# Altium PCB PCB3.PcbDoc (part 5 of 8)
Units mil, origin at the board's own origin, x right, y up, seen from the top; angles counter-clockwise.
Board outline 4763.78 x 6574.87 mil, 6 copper layers (Top Layer, GND, ADDR, DATA, VCC, Bottom Layer), stack 77.691 mil thick; 402 components, 418 nets, 1809 pads, 1202 vias.
Unrouted connection lines stored in the file: 117.
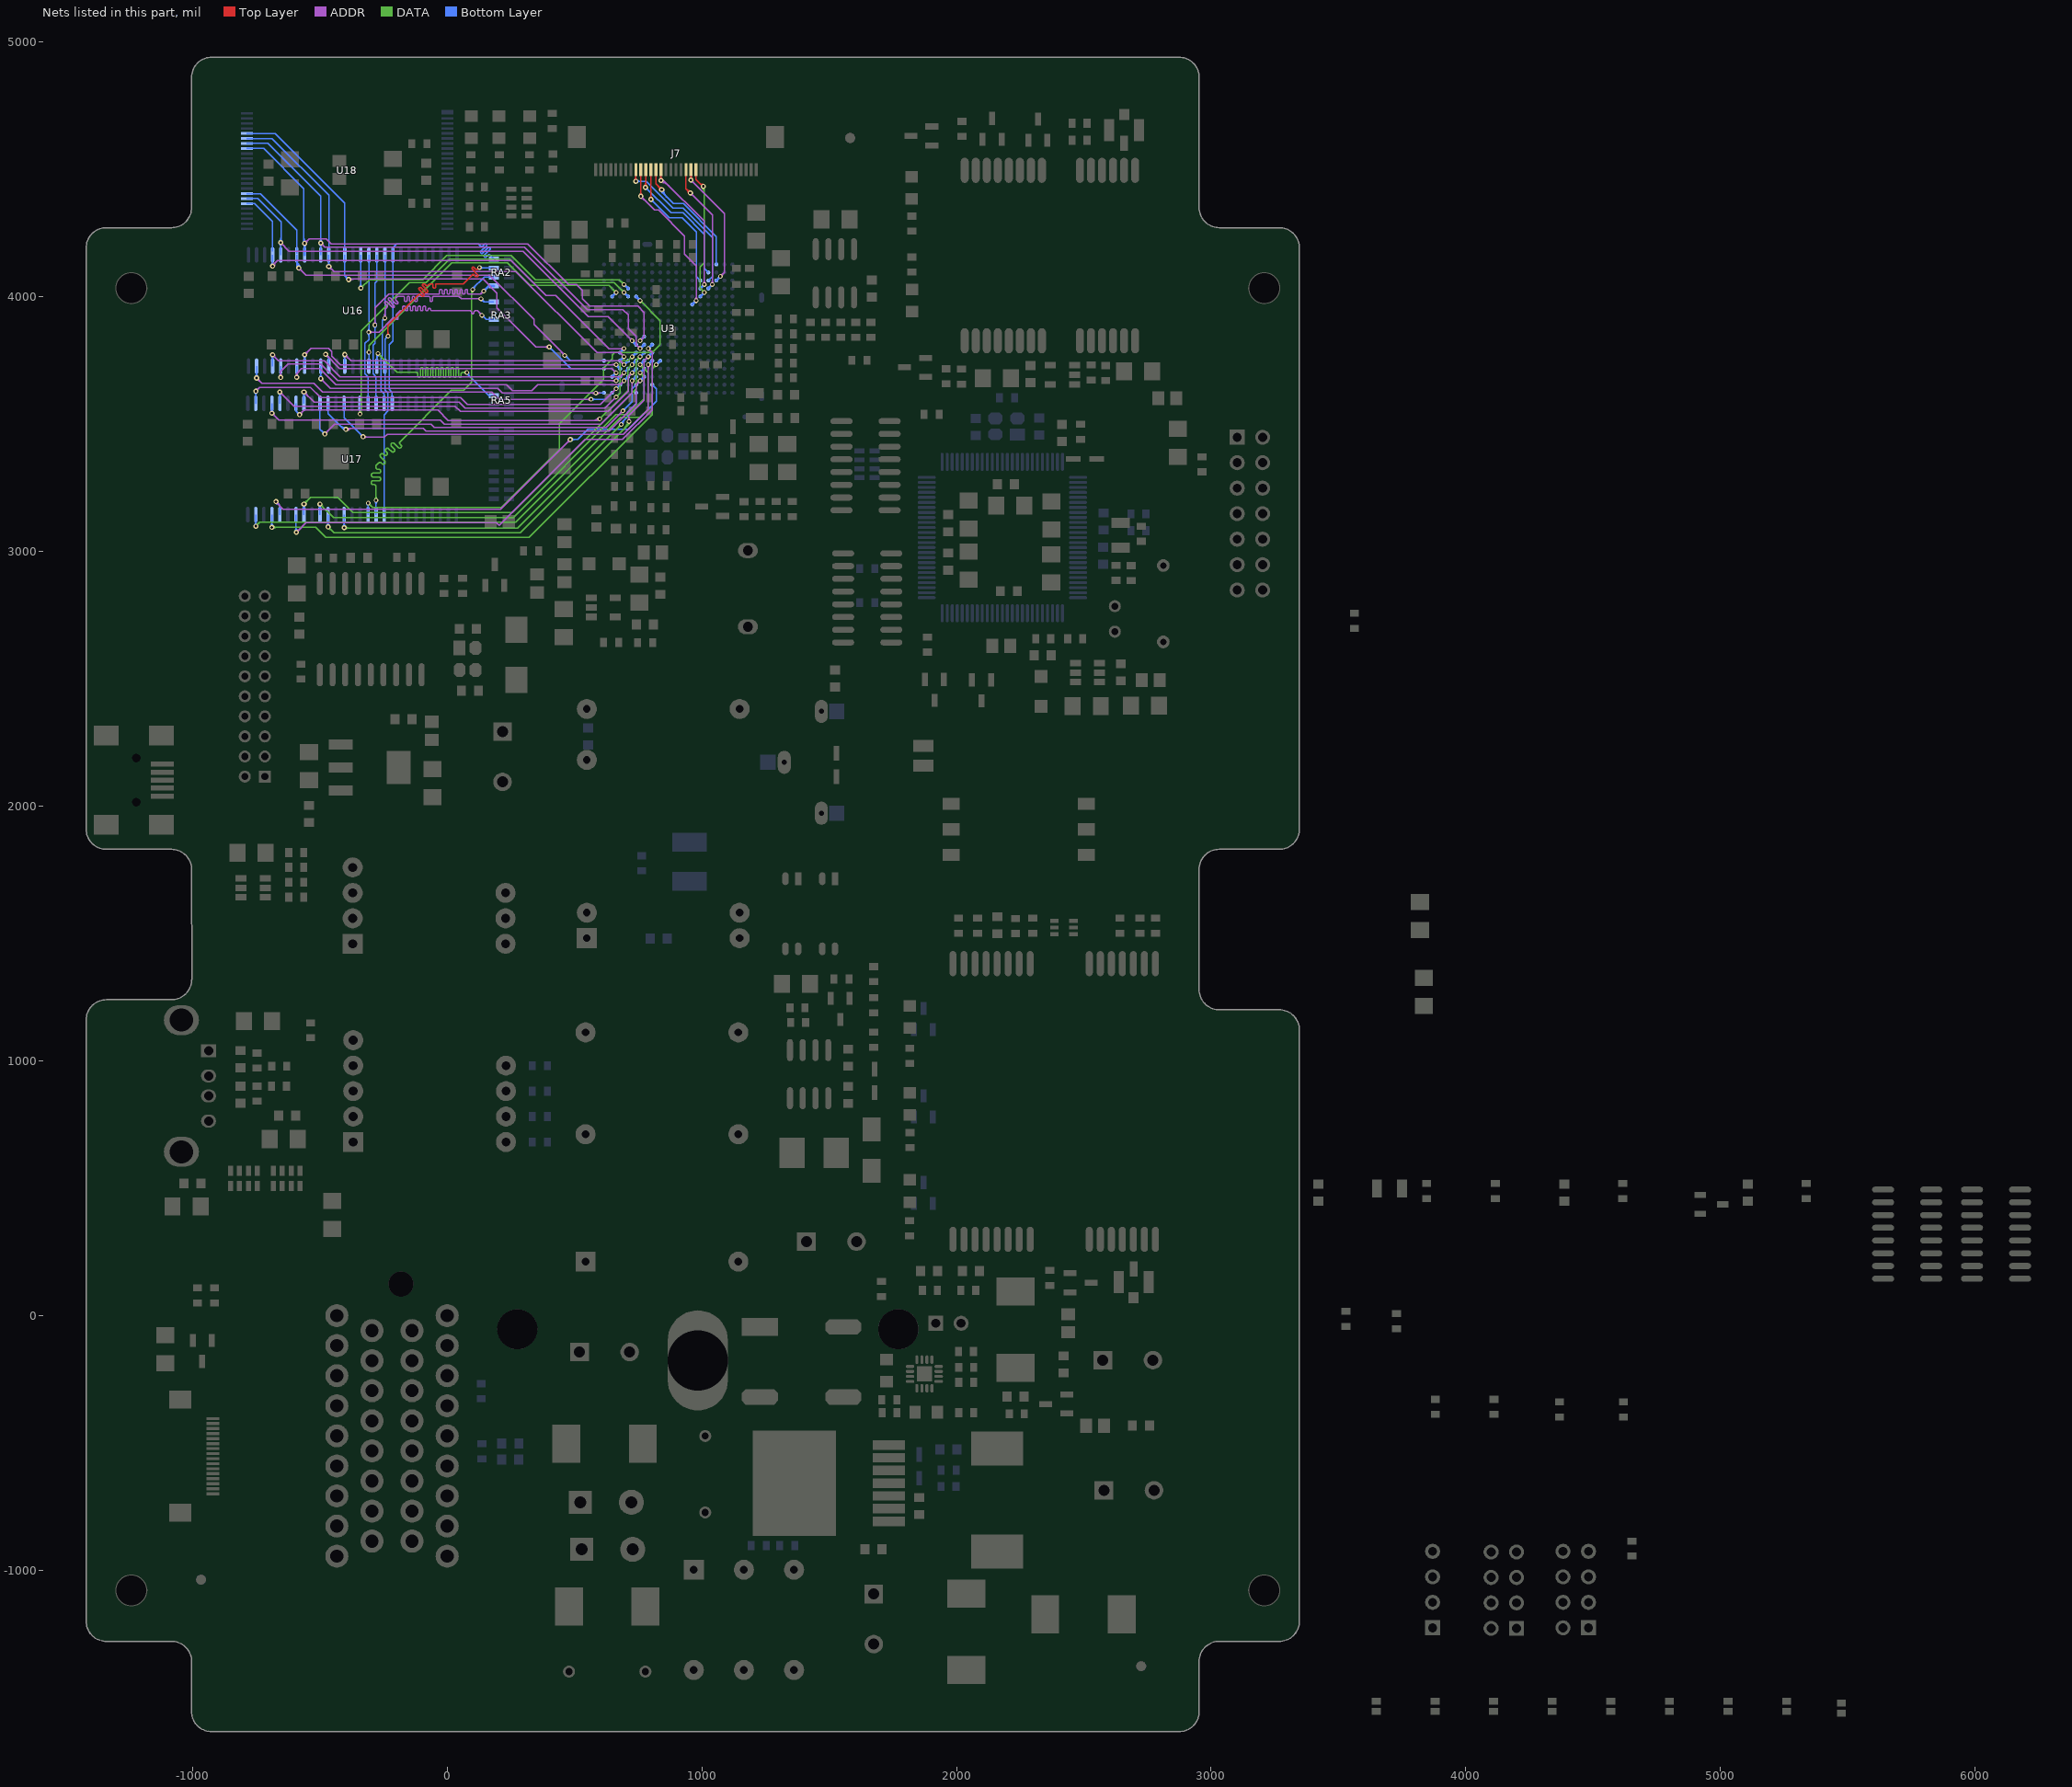
[diagram p9: the nets of this part, all layers, seen from the top]

## Via types
v1: diameter 18, hole 10, Top Layer to Bottom Layer, tented both sides, 404 vias
v2: diameter 20, hole 10, Top Layer to Bottom Layer, tented both sides, 379 vias
v3: diameter 25, hole 15, Top Layer to Bottom Layer, tented both sides, 363 vias
v4: diameter 23.62, hole 11.81, Top Layer to Bottom Layer, tented both sides, 51 vias
v5: diameter 50, hole 28, Top Layer to Bottom Layer, tented both sides, 4 vias
v6: diameter 30, hole 15, Top Layer to Bottom Layer, tented both sides, 1 vias

## Nets (pads, with @x,y where several pads share a name; then routed paths per layer and width w, separated by ;. In a path a pad name is that pad's centre, name@x,y a point inside that pad or via, vN(x,y) a via of type N, cw(c..) or ccw(c..) an arc to the next point about the centre after c; other vN are vias at no path point) (continued)
LDATA1: U3.C12 U16.4 U18.30 | length 1955
  ADDR w5: v2(-685.37,4120.73) -685.37,4123.4 -666.34,4142.43 251.68,4142.43 388.68,4005.43 426.59,4005.43 635.33,3796.69 v1(694.86,3796.69) ; v2@-685.37,4128.23 ccw(c-685.37,4139.89) -677.13,4131.65 ; v2@-682.87,4120.73 cw(c-670.39,4120.73) -679.22,4129.56 ; v2@-677.87,4120.73 cw(c-653.32,4120.73) -670.68,4138.09 ; v1@690.26,3792.1 ccw(c679.16,3781) 679.16,3796.69 ccw(c679.16,3812.39) v1@690.26,3801.29
  Bottom Layer w5: U18.30@-786.94,4366.2 -755.97,4366.2 -686.02,4296.26 U16.4@-686.02,4178.15 ; v2@-690.67,4126.03 ccw(c-703.48,4138.84) -685.37,4138.84 ccw(c-667.26,4138.84) v2@-680.07,4126.03 ; v2(-685.37,4120.73) U16.4@-685.37,4164.94
  Bottom Layer w10: U3.C12@679.11,3780.95 v1(694.86,3796.69) ; v1@690.86,3796.69 cw(c681.2,3796.69) 688.03,3789.87 cw(c694.86,3783.04) v1@694.86,3792.69
LDATA2: U3.E11 U16.5 U18.31 | length 1989
  ADDR w5: v2@-653.88,4205.43 cw(c-653.88,4187.32) -641.07,4200.13 cw(c-628.27,4212.93) v2@-646.38,4212.93 ; v2(-653.88,4212.93) -620.38,4179.43 297.93,4179.43 554.7,3922.67 631.88,3922.67 v1(726.35,3828.19) ; v1@719.85,3828.19 ccw(c704.16,3828.19) 715.26,3839.29 ccw(c726.35,3850.38) v1@726.35,3834.69
  Bottom Layer w5: U18.31@-786.94,4385.89 -744.16,4385.89 -652.56,4294.29 v2@-652.56,4212.6 ; v2@-659.18,4207.63 cw(c-671.98,4194.82) -653.88,4194.82 cw(c-635.77,4194.82) v2@-648.57,4207.63 ; v2@-659.18,4218.23 ccw(c-675.16,4234.21) -652.56,4234.21 ; U16.5@-653.88,4164.94 v2(-653.88,4212.93) ; -652.56,4227.86 ccw(c-638.95,4227.86) v2@-648.57,4218.23
  Bottom Layer w10: v1@726.35,3824.19 cw(c726.35,3814.53) 733.18,3821.36 cw(c740.01,3828.19) v1@730.35,3828.19 ; v1(726.35,3828.19) U3.E11@742.1,3812.44
LDATA3: U3.A13 U16.7 U18.32 | length 1921.5
  ADDR w5: v2@-582.68,4105.69 cw(c-582.68,4087.58) -569.87,4100.39 cw(c-557.07,4113.19) v2@-575.18,4113.19 ; v2(-582.68,4113.19) -554.92,4085.43 166.53,4085.43 340.55,3911.42 340.55,3891.16 v1(461.59,3770.11) ; v1@455.09,3770.11 ccw(c439.4,3770.11) 450.5,3781.21 ccw(c461.59,3792.31) v1@461.59,3776.61
  Bottom Layer w5: U18.32@-786.94,4405.57 -733.33,4405.57 -590.55,4262.8 U16.7@-590.55,4170.28 ; -590.88,4126.96 ccw(c-568.9,4126.96) v2@-584.44,4111.42 ; U16.7@-590.88,4139.04 ccw(c-556.83,4139.04) v2@-580.91,4114.96 ; U16.7@-590.88,4151.11 ccw(c-544.76,4151.11) v2@-577.37,4118.49 ; U16.7@-590.88,4164.94 -590.88,4121.39 v2(-582.68,4113.19) ; v1@461.59,3763.61 cw(c461.59,3743.17) 476.05,3757.63 ; v1@462.55,3770.11 463.56,3770.11 484.23,3749.45 U3.A13@616.12,3749.45 ; v1@468.09,3770.11 ccw(c479.03,3770.11) 471.3,3762.38
LDATA4: U3.F10 U16.8 U18.41 | length 2302.6
  ADDR w5: v2(-559.39,4210.3) -541.34,4228.35 -475.39,4228.35 -455.71,4208.66 315.94,4208.66 476.38,4048.23 507.85,4048.23 531.09,4024.99 531.09,3992.53 560.04,3963.58 749.42,3963.58 773.6,3939.41 773.6,3843.94 v1(757.85,3828.19) ; v2@-559.39,4217.8 ccw(c-559.39,4235.9) -546.58,4223.1 ccw(c-533.78,4210.3) v2@-551.89,4210.3 ; v1@757.85,3834.69 ccw(c757.85,3850.38) 768.95,3839.29 ccw(c780.04,3828.19) v1@764.35,3828.19
  Bottom Layer w5: U18.41@-786.94,4582.74 -720.53,4582.74 -562.99,4425.2 -562.99,4217.52 v2@-555.12,4209.65 ; v2@-564.69,4215.6 ccw(c-568.79,4219.7) -562.99,4219.7 ; -562.99,4225.04 ccw(c-544.65,4225.04) v2@-557.62,4212.07 ; -562.99,4237.11 ccw(c-532.58,4237.11) v2@-554.08,4215.6
  Bottom Layer w10: v2@-562.92,4206.76 cw(c-571.46,4198.23) -559.39,4198.23 cw(c-547.32,4198.23) v2@-555.85,4206.76 ; U16.8@-559.39,4164.94 v2(-559.39,4210.3) ; v1(757.85,3828.19) U3.F10@773.6,3843.94 ; v1@757.85,3832.19 ccw(c757.85,3841.85) 764.68,3835.02 ccw(c771.51,3828.19) v1@761.85,3828.19
LDATA5: U3.F11 U16.10 U18.42 | length 2228.3
  ADDR w5: v2@-496.4,4203.78 cw(c-496.4,4185.68) -483.59,4198.48 cw(c-470.79,4211.28) v2@-488.9,4211.28 ; v2(-496.4,4211.28) -480.98,4195.87 304.13,4195.87 550.2,3949.8 689.96,3949.8 710.85,3928.91 710.85,3875.68 742.35,3844.19 742.35,3812.69 757.85,3797.19 v1(757.85,3796.69) ; 746.4,3808.64 cw(c734.46,3796.69) v1@751.35,3796.69 ; 747.6,3807.44 ccw(c757.85,3817.69) v1@757.85,3803.19
  Bottom Layer w5: U18.42@-786.94,4602.43 -703.8,4602.43 -497.05,4395.67 v2@-497.05,4212.6 ; v2@-501.7,4205.98 cw(c-514.5,4193.18) -496.4,4193.18 cw(c-478.29,4193.18) v2@-491.09,4205.98 ; v2@-501.7,4216.59 ccw(c-512.93,4227.81) -497.05,4227.81 ; -497.05,4230.96 ccw(c-476.71,4230.96) v2@-491.09,4216.59 ; U16.10@-496.4,4164.94 v2(-496.4,4211.28)
  Bottom Layer w10: v1(757.85,3796.69) U3.F11@773.6,3812.44 ; v1@757.85,3800.69 ccw(c757.85,3810.35) 764.68,3803.52 ccw(c771.51,3796.69) v1@761.85,3796.69
LDATA6: U3.C13 U16.11 U18.43 | length 2108
  ADDR w5: v2@-464.9,4111.83 cw(c-464.9,4093.72) -452.1,4106.53 cw(c-439.29,4119.33) v2@-457.4,4119.33 ; v2(-464.9,4119.33) -445,4099.43 269.86,4099.43 588.35,3780.95 679.11,3780.95 v1(694.86,3765.2) ; v1@688.36,3765.2 ccw(c672.66,3765.2) 683.76,3776.29 ccw(c694.86,3787.39) v1@694.86,3771.7
  Bottom Layer w5: U18.43@-786.94,4622.11 -687.07,4622.11 -464.57,4399.61 U16.11@-464.57,4177.17 ; v2@-470.2,4124.63 ccw(c-483.01,4137.44) -464.9,4137.44 ccw(c-446.79,4137.44) v2@-459.6,4124.63 ; v2(-464.9,4119.33) U16.11@-464.9,4164.94
  Bottom Layer w10: U3.C13@679.11,3749.45 v1(694.86,3765.2) ; v1@690.86,3765.2 cw(c681.2,3765.2) 688.03,3758.37 cw(c694.86,3751.54) v1@694.86,3761.2
LDATA7: U3.A14 U16.13 U18.44 | length 2097.1
  Top Layer w5: v2@397.84,3806.1 v2(400.61,3803.34)
  ADDR w5: v2@-386.81,4069.88 140.75,4069.88 195.87,4014.76 195.87,3956.69 349.22,3803.34 v2(400.61,3803.34) ; v2@-385.04,4066.15 cw(c-376.02,4057.13) -376.02,4069.88 ; v2@-381.51,4062.61 cw(c-363.95,4045.05) -363.95,4069.88 ; v2@-381.51,4073.22 ccw(c-373.46,4081.27) -373.46,4069.88 ; v2@395.31,3798.03 ccw(c382.5,3785.23) 382.5,3803.34 ccw(c382.5,3821.44) v2@395.31,3808.64
  Bottom Layer w5: U18.44@-786.94,4641.8 -675.26,4641.8 -402.56,4369.09 U16.13@-402.56,4183.07 ; U16.13@-401.91,4164.94 -401.91,4083.01 v2(-386.81,4067.91) ; v2@-394.31,4067.91 ccw(c-412.42,4067.91) -399.61,4080.72 ccw(c-386.81,4093.52) v2@-386.81,4075.41 ; v2@400.61,3795.84 cw(c400.61,3777.73) 413.41,3790.53 cw(c426.22,3803.34) v2@408.11,3803.34 ; v2(400.61,3803.34) 485.99,3717.95 U3.A14@616.12,3717.95
LDATA8: U3.D13 U16.42 | length 1277.8
  ADDR w5: v2@-401.91,3766.04 cw(c-401.91,3747.93) -389.1,3760.73 cw(c-376.3,3773.54) v2@-394.41,3773.54 ; v2(-401.91,3773.54) -377.57,3749.2 679.36,3749.2 v1(694.86,3733.7) ; v1@688.36,3733.7 ccw(c672.66,3733.7) 683.76,3744.8 ccw(c694.86,3755.89) v1@694.86,3740.2
  Bottom Layer w5: v2@-407.21,3768.23 cw(c-420.01,3755.43) -401.91,3755.43 cw(c-383.8,3755.43) v2@-396.6,3768.23 ; U16.42@-401.91,3727.93 v2(-401.91,3773.54)
  Bottom Layer w10: v1(694.86,3733.7) U3.D13@710.6,3749.45 ; v1@694.86,3737.7 ccw(c694.86,3747.36) 701.69,3740.53 ccw(c708.51,3733.7) v1@698.86,3733.7
LDATA9: U3.B15 U16.44 | length 1339.8
  ADDR w5: v2@-477.36,3766.69 cw(c-477.36,3748.58) -464.56,3761.39 cw(c-451.76,3774.19) v2@-469.86,3774.19 ; v2(-477.36,3774.19) -422.11,3718.94 646.63,3718.94 v1(663.36,3702.21) ; v1@656.86,3702.21 ccw(c641.17,3702.21) 652.26,3713.3 ccw(c663.36,3724.4) v1@663.36,3708.71
  Bottom Layer w5: v2(-477.36,3774.19) -464.9,3761.73 ; v2@-477.22,3766.69 cw(c-476.89,3749.74) -464.9,3761.73 ; v2@-469.86,3774.05 ccw(c-452.91,3773.72) -464.9,3761.73 ; U16.44@-464.9,3727.93 -464.9,3761.73
  Bottom Layer w10: U3.B15@647.61,3686.46 v1(663.36,3702.21) ; v1@659.36,3702.21 cw(c649.7,3702.21) 656.53,3695.38 cw(c663.36,3688.55) v1@663.36,3698.21
LDATA10: U3.A17 U16.45 | length 1332.6
  Top Layer w5: v1@581.66,3622.47 v1(583.62,3622.47)
  ADDR w5: v2@-496.4,3671.97 cw(c-496.4,3653.86) -483.59,3666.66 cw(c-470.79,3679.47) v2@-488.9,3679.47 ; v2@-494.09,3677.17 -457.68,3640.75 198.24,3640.75 216.52,3622.47 276.96,3622.47 277.04,3622.4 297.33,3622.4 297.41,3622.47 v1(583.62,3622.47) 601.59,3622.47 ; v1@579.03,3617.87 ccw(c567.93,3606.78) 567.93,3622.47 ccw(c567.93,3638.16) v1@579.03,3627.07 ; v1@588.22,3617.87 cw(c599.32,3606.78) 599.32,3622.47 cw(c599.32,3638.16) v1@588.22,3627.07
  Bottom Layer w5: v2@-501.7,3684.77 ccw(c-514.5,3697.57) -496.4,3697.57 ccw(c-478.29,3697.57) v2@-491.09,3684.77 ; v2(-496.4,3679.47) U16.45@-496.4,3727.93 ; v1(583.62,3622.47) 584.62,3623.47 U3.A17@616.12,3623.47 ; v1@588.22,3617.87 cw(c601.72,3604.37) 601.72,3623.47 ; v1@588.22,3627.07 ccw(c596.91,3635.75) 596.91,3623.47
LDATA11: U3.C14 U16.47 | length 1432.9
  ADDR w5: v2(-559.39,3772.87) -535.02,3797.24 -465.55,3797.24 -452.76,3784.45 -452.76,3767.72 -418.74,3733.7 v1(663.36,3733.7) ; v2@-559.39,3780.37 ccw(c-559.39,3798.48) -546.58,3785.68 ccw(c-533.78,3772.87) v2@-551.89,3772.87 ; v1@658.76,3729.11 ccw(c647.67,3718.01) 647.67,3733.7 ccw(c647.67,3749.39) v1@658.76,3738.3
  Bottom Layer w5: v2@-564.69,3767.57 cw(c-577.49,3754.77) -559.39,3754.77 cw(c-541.28,3754.77) v2@-554.08,3767.57 ; U16.47@-559.39,3727.93 v2(-559.39,3772.87)
  Bottom Layer w10: v1@663.36,3729.7 cw(c663.36,3720.05) 670.19,3726.87 cw(c677.02,3733.7) v1@667.36,3733.7 ; v1(663.36,3733.7) U3.C14@679.11,3717.95
LDATA12: U3.D15 U16.48 | length 1516.2
  ADDR w5: v2@-595.41,3690.37 ccw(c-602.3,3699.47) -590.88,3699.47 ; v2(-590.88,3684.39) -590.88,3699.47 ; v2@-586.36,3690.37 cw(c-579.47,3699.47) -590.88,3699.47 ; v1@688.36,3670.71 cw(c672.66,3670.71) 683.76,3659.61 cw(c694.86,3648.52) v1@694.86,3664.21 ; v1(694.86,3670.71) 679.36,3655.21 355.54,3655.21 331.8,3631.47 293.68,3631.47 293.61,3631.4 280.76,3631.4 280.69,3631.47 256.74,3631.47 232.69,3655.51 -436.57,3655.51 -499.57,3718.5 -571.85,3718.5 -590.88,3699.47
  Bottom Layer w5: v2@-596.19,3689.69 ccw(c-608.99,3702.49) -590.88,3702.49 ccw(c-572.78,3702.49) v2@-585.58,3689.69 ; v2(-590.88,3684.39) U16.48@-590.88,3727.93
  Bottom Layer w10: v1(694.86,3670.71) U3.D15@710.6,3686.46 ; v1@694.86,3674.71 ccw(c694.86,3684.37) 701.69,3677.54 ccw(c708.51,3670.71) v1@698.86,3670.71
LDATA13: U3.C15 U16.50 | length 1543.8
  ADDR w5: v2@-659.18,3688.71 ccw(c-671.98,3701.51) -653.88,3701.51 ccw(c-635.77,3701.51) v2@-648.57,3688.71 ; v2(-653.88,3683.4) -653.88,3707.35 -625,3736.22 -496.06,3736.22 -430.55,3670.71 v1(663.36,3670.71) ; v1@658.76,3666.11 ccw(c647.67,3655.02) 647.67,3670.71 ccw(c647.67,3686.4) v1@658.76,3675.31
  Bottom Layer w5: v2@-659.18,3688.71 ccw(c-671.98,3701.51) -653.88,3701.51 ccw(c-635.77,3701.51) v2@-648.57,3688.71 ; v2(-653.88,3683.4) U16.50@-653.88,3727.93
  Bottom Layer w10: v1(663.36,3670.71) U3.C15@679.11,3686.46 ; v1@663.36,3674.71 ccw(c663.36,3684.37) 670.19,3677.54 ccw(c677.02,3670.71) v1@667.36,3670.71
LDATA14: U3.D14 U16.51 | length 1585.5
  ADDR w5: v2@-685.37,3764.81 cw(c-685.37,3746.7) -672.57,3759.5 cw(c-659.76,3772.31) v2@-677.87,3772.31 ; v2(-685.37,3772.31) -662.08,3749.02 -482.28,3749.02 -419.97,3686.71 679.36,3686.71 v1(694.86,3702.21) ; v1@688.36,3702.21 cw(c672.66,3702.21) 683.76,3691.11 cw(c694.86,3680.01) v1@694.86,3695.71
  Bottom Layer w5: v2@-690.67,3767 cw(c-703.48,3754.2) -685.37,3754.2 cw(c-667.26,3754.2) v2@-680.07,3767 ; U16.51@-685.37,3727.93 v2(-685.37,3772.31)
  Bottom Layer w10: v1(694.86,3702.21) U3.D14@710.6,3717.95 ; v1@694.86,3706.21 ccw(c694.86,3715.86) 701.69,3709.03 ccw(c708.51,3702.21) v1@698.86,3702.21
LDATA15: U3.B17 U16.53 | length 1593.9
  ADDR w5: v2@-748.36,3673.93 cw(c-748.36,3655.83) -735.56,3668.63 cw(c-722.76,3681.43) v2@-740.86,3681.43 ; v2(-748.36,3681.43) -727.36,3660.43 -523.62,3660.43 -489.47,3626.28 175.31,3626.28 203.71,3597.88 v1(564.94,3597.88) ; v1@560.34,3593.28 ccw(c549.24,3582.18) 549.24,3597.88 ccw(c549.24,3613.57) v1@560.34,3602.47
  Bottom Layer w5: v2@-753.67,3686.74 ccw(c-766.47,3699.54) -748.36,3699.54 ccw(c-730.26,3699.54) v2@-743.06,3686.74 ; v2(-748.36,3681.43) U16.53@-748.36,3727.93 ; v1(564.94,3597.88) 622.02,3597.88 U3.B17@647.61,3623.47 ; v1@569.53,3593.28 cw(c580.63,3582.18) 580.63,3597.88 cw(c580.63,3613.57) v1@569.53,3602.47
LDATA16: U3.C16 U17.2 | length 1643.1
  ADDR w6: v2(-751.36,3629.54) -736.22,3644.69 -537.4,3644.69 -497.05,3604.33 52.77,3604.33 79.89,3577.21 601.35,3577.21 v1(663.36,3639.21) ; v2@-751.36,3636.54 ccw(c-751.36,3653.44) -739.41,3641.49 ccw(c-727.46,3629.54) v2@-744.36,3629.54 ; v1@657.36,3639.21 cw(c642.88,3639.21) 653.12,3628.97 cw(c663.36,3618.73) v1@663.36,3633.21
  Bottom Layer w6: v2@-756.31,3624.59 cw(c-768.26,3612.64) -751.36,3612.64 cw(c-734.46,3612.64) v2@-746.41,3624.59 ; U17.2@-751.36,3581.94 v2(-751.36,3629.54) ; v1(663.36,3639.21) U3.C16@679.11,3654.96 ; v1@663.36,3645.21 ccw(c663.36,3659.7) 673.6,3649.46 ccw(c683.85,3639.21) v1@669.36,3639.21
LDATA17: U3.E15 U17.4 | length 1688.1
  ADDR w5: v2@-688.37,3536.19 cw(c-688.37,3518.08) -675.57,3530.88 cw(c-662.76,3543.69) v2@-680.87,3543.69 ; v2(-688.37,3543.69) -661.42,3516.73 -27.12,3516.73 -10.83,3500.43 603.32,3500.43 726.35,3623.47 v1(726.35,3670.71) ; v1@721.76,3666.11 cw(c710.66,3655.02) 726.35,3655.02 cw(c742.05,3655.02) v1@730.95,3666.11
  Bottom Layer w5: v2@-693.67,3548.99 ccw(c-706.48,3561.79) -688.37,3561.79 ccw(c-670.26,3561.79) v2@-683.07,3548.99 ; v2(-688.37,3543.69) U17.4@-688.37,3581.94
  Bottom Layer w10: v1(726.35,3670.71) U3.E15@742.1,3686.46 ; v1@726.35,3674.71 ccw(c726.35,3684.37) 733.18,3677.54 ccw(c740.01,3670.71) v1@730.35,3670.71
LDATA18: U3.E14 U17.5 | length 1674.7
  ADDR w5: v2@-656.88,3619.09 cw(c-656.88,3600.98) -644.07,3613.79 cw(c-631.27,3626.59) v2@-649.38,3626.59 ; v2(-656.88,3626.59) -601.15,3570.87 31.5,3570.87 51.98,3550.38 631.62,3550.38 710.85,3629.62 710.85,3686.71 v1(726.35,3702.21) ; v1@719.85,3702.21 cw(c704.16,3702.21) 715.26,3691.11 cw(c726.35,3680.01) v1@726.35,3695.71
  Bottom Layer w5: v2@-662.18,3621.29 cw(c-674.98,3608.48) -656.88,3608.48 cw(c-638.77,3608.48) v2@-651.57,3621.29 ; U17.5@-656.88,3581.94 v2(-656.88,3626.59)
  Bottom Layer w10: v1(726.35,3702.21) U3.E14@742.1,3717.95 ; v1@726.35,3706.21 ccw(c726.35,3715.86) 733.18,3709.03 ccw(c740.01,3702.21) v1@730.35,3702.21
LDATA19: U3.E13 U17.7 | length 1727.7
  ADDR w5: v2(-579.72,3537.4) -561.84,3555.29 -36.91,3555.29 3.94,3514.44 592.73,3514.44 v1(599.38,3521.1) ; v2@-579.72,3544.9 ccw(c-579.72,3563.01) -566.92,3550.2 ccw(c-554.12,3537.4) v2@-572.22,3537.4 ; 567.62,3514.44 ccw(c567.62,3552.87) v1@594.79,3525.7 ; 579.69,3514.44 ccw(c579.69,3540.8) v1@598.32,3522.16 ; 591.76,3514.44 ccw(c591.76,3528.73) v1@601.86,3518.63
  DATA w5: v1(599.38,3521.1) 669.51,3591.23 669.78,3591.23 678.86,3600.31 678.86,3600.58 710.36,3632.08 710.36,3717.71 v1(726.35,3733.7) ; v1@599.38,3527.6 ccw(c599.38,3543.3) 610.48,3532.2 ccw(c621.58,3521.1) v1@605.88,3521.1 ; v1@719.85,3733.7 cw(c704.16,3733.7) 715.26,3722.61 cw(c726.35,3711.51) v1@726.35,3727.2
  Bottom Layer w5: U17.7@-593.88,3581.94 -593.88,3551.56 v2(-579.72,3537.4) ; v2@-587.22,3537.4 ccw(c-605.33,3537.4) -592.53,3550.2 ccw(c-579.72,3563.01) v2@-579.72,3544.9
  Bottom Layer w10: v1(726.35,3733.7) U3.E13@742.1,3749.45 ; v1@726.35,3737.7 ccw(c726.35,3747.36) 733.18,3740.53 ccw(c740.01,3733.7) v1@730.35,3733.7
LDATA20: U3.E12 U17.8 | length 1680.2
  ADDR w5: v2@-562.39,3619.09 cw(c-562.39,3600.98) -549.58,3613.79 cw(c-536.78,3626.59) v2@-554.89,3626.59 ; v2(-562.39,3626.59) -522.41,3586.61 47.24,3586.61 70.43,3563.43 620.05,3563.43 v1(663.36,3606.73) ; v1@656.86,3606.73 cw(c641.17,3606.73) 652.26,3595.64 cw(c663.36,3584.54) v1@663.36,3600.23
  DATA w5: v1(663.36,3606.73) 679.11,3622.48 679.11,3739.87 688.44,3749.2 710.36,3749.2 v1(726.35,3765.2) ; v1@663.36,3613.23 ccw(c663.36,3628.93) 674.46,3617.83 ccw(c685.55,3606.73) v1@669.86,3606.73 ; v1@719.85,3765.2 cw(c704.16,3765.2) 715.26,3754.1 cw(c726.35,3743.01) v1@726.35,3758.7
  Bottom Layer w5: v2@-567.69,3621.29 cw(c-580.49,3608.48) -562.39,3608.48 cw(c-544.28,3608.48) v2@-557.08,3621.29 ; U17.8@-562.39,3581.94 v2(-562.39,3626.59)
  Bottom Layer w10: v1(726.35,3765.2) U3.E12@742.1,3780.95 ; v1@726.35,3769.2 ccw(c726.35,3778.86) 733.18,3772.03 ccw(c740.01,3765.2) v1@730.35,3765.2
LDATA21: U3.E16 U17.10 | length 1577.4
  ADDR w5: v2(-480.31,3461.61) -441.93,3500 -63.98,3500 -50.63,3486.65 623.99,3486.65 v1(689.94,3552.6) ; v2@-480.31,3469.11 ccw(c-480.31,3487.22) -467.51,3474.42 ccw(c-454.71,3461.61) v2@-472.81,3461.61 ; v1@683.44,3552.6 cw(c667.74,3552.6) 678.84,3541.5 cw(c689.94,3530.41) v1@689.94,3546.1
  Bottom Layer w5: U17.10@-499.4,3581.94 -499.4,3480.69 v2(-480.31,3461.61) ; v2@-487.81,3461.61 ccw(c-505.92,3461.61) -493.12,3474.42 ccw(c-480.31,3487.22) v2@-480.31,3469.11 ; v1(689.94,3552.6) 726.35,3589.02 726.35,3639.21 U3.E16@742.1,3654.96 ; v1@689.94,3559.1 ccw(c689.94,3574.79) 701.03,3563.7 ccw(c712.13,3552.6) v1@696.44,3552.6
LDATA22: U3.F15 U17.11 | length 1592.1
  ADDR w5: v2(-397.64,3479.33) -393.5,3483.47 -93.71,3483.47 -83.11,3472.88 634.82,3472.88 742.1,3580.16 742.1,3654.96 v1(757.85,3670.71) ; v2@-395.87,3477.56 cw(c-381.61,3463.3) -381.61,3483.47 ; v2@-392.33,3474.03 cw(c-369.54,3451.23) -369.54,3483.47 ; v1@751.35,3670.71 cw(c735.66,3670.71) 746.75,3659.61 cw(c757.85,3648.52) v1@757.85,3664.21
  Bottom Layer w5: U17.11@-467.9,3581.94 -467.9,3540.73 -406.5,3479.33 v2(-397.64,3479.33) ; -425.56,3498.4 ccw(c-397.64,3526.32) v2@-397.64,3486.83 ; -417.03,3489.86 ccw(c-397.64,3509.25) v2@-397.64,3481.83 ; -408.49,3481.33 ccw(c-397.64,3492.18) v2@-397.64,3476.83
  Bottom Layer w10: v1(757.85,3670.71) U3.F15@773.6,3686.46 ; v1@757.85,3674.71 ccw(c757.85,3684.37) 764.68,3677.54 ccw(c771.51,3670.71) v1@761.85,3670.71
LDATA23: U3.G13 U17.13 | length 1621.5
  ADDR w5: v2(-330.71,3450.79) -329.72,3449.8 -246.52,3449.8 -235.26,3461.06 691.9,3461.06 789.34,3558.51 v1(789.34,3733.7) ; v2@-325.41,3445.48 cw(c-314.98,3435.06) -314.98,3449.8 ; v2@-325.41,3456.09 ccw(c-310.23,3471.27) -310.23,3449.8 ; v1@784.75,3729.11 cw(c773.65,3718.01) 789.34,3718.01 cw(c805.04,3718.01) v1@793.94,3729.11
  Bottom Layer w5: U17.13@-404.91,3581.94 -404.91,3524.99 v2(-330.71,3450.79) ; v2@-338.21,3450.79 ccw(c-356.32,3450.79) -343.51,3463.59 ccw(c-330.71,3476.39) v2@-330.71,3458.29
  Bottom Layer w10: v1(789.34,3733.7) U3.G13@805.09,3749.45 ; v1@789.34,3737.7 ccw(c789.34,3747.36) 796.17,3740.53 ccw(c803,3733.7) v1@793.34,3733.7
LDATA24: U3.E17 U17.42 | length 1573.9
  Top Layer w5: v2(-404.55,3093.65) v2@-404.38,3093.65
  DATA w5: v2@-404.55,3086.61 -398.64,3092.52 277.1,3092.52 v1(684.03,3499.45) ; v2@-399.24,3088.35 cw(c-389.18,3078.29) -389.18,3092.52 ; v2@-399.24,3098.96 ccw(c-383.7,3114.5) -383.7,3092.52 ; v1@677.53,3499.45 cw(c661.84,3499.45) 672.93,3488.35 cw(c684.03,3477.26) v1@684.03,3492.95
  Bottom Layer w5: v2@-409.85,3098.96 ccw(c-421.79,3110.89) -404.91,3110.89 ; -404.91,3112.63 ccw(c-385.57,3112.63) v2@-399.24,3098.96 ; U17.42@-404.91,3144.93 -404.91,3094.01 v2(-404.55,3093.65) ; v1@681.08,3501.42 708.64,3528.98 708.64,3547.68 742.1,3581.14 U3.E17@742.1,3623.47 ; v1@685.53,3499.45 cw(c701.03,3499.45) 690.07,3510.41 ; v1@690.53,3499.45 cw(c718.1,3499.45) 698.61,3518.95